# Altium PCB AudioBoxAmpV3-3.PcbDoc (part 1 of 2)
Units mil, origin at the board's own origin, x right, y up, seen from the top; angles counter-clockwise.
Board outline 3662 x 3693 mil, 4 copper layers (Top Layer, GND-2, VCC-3, Bottom Layer), stack 23.756 mil thick; 215 components, 159 nets, 712 pads, 147 vias.
Unrouted connection lines stored in the file: 1.
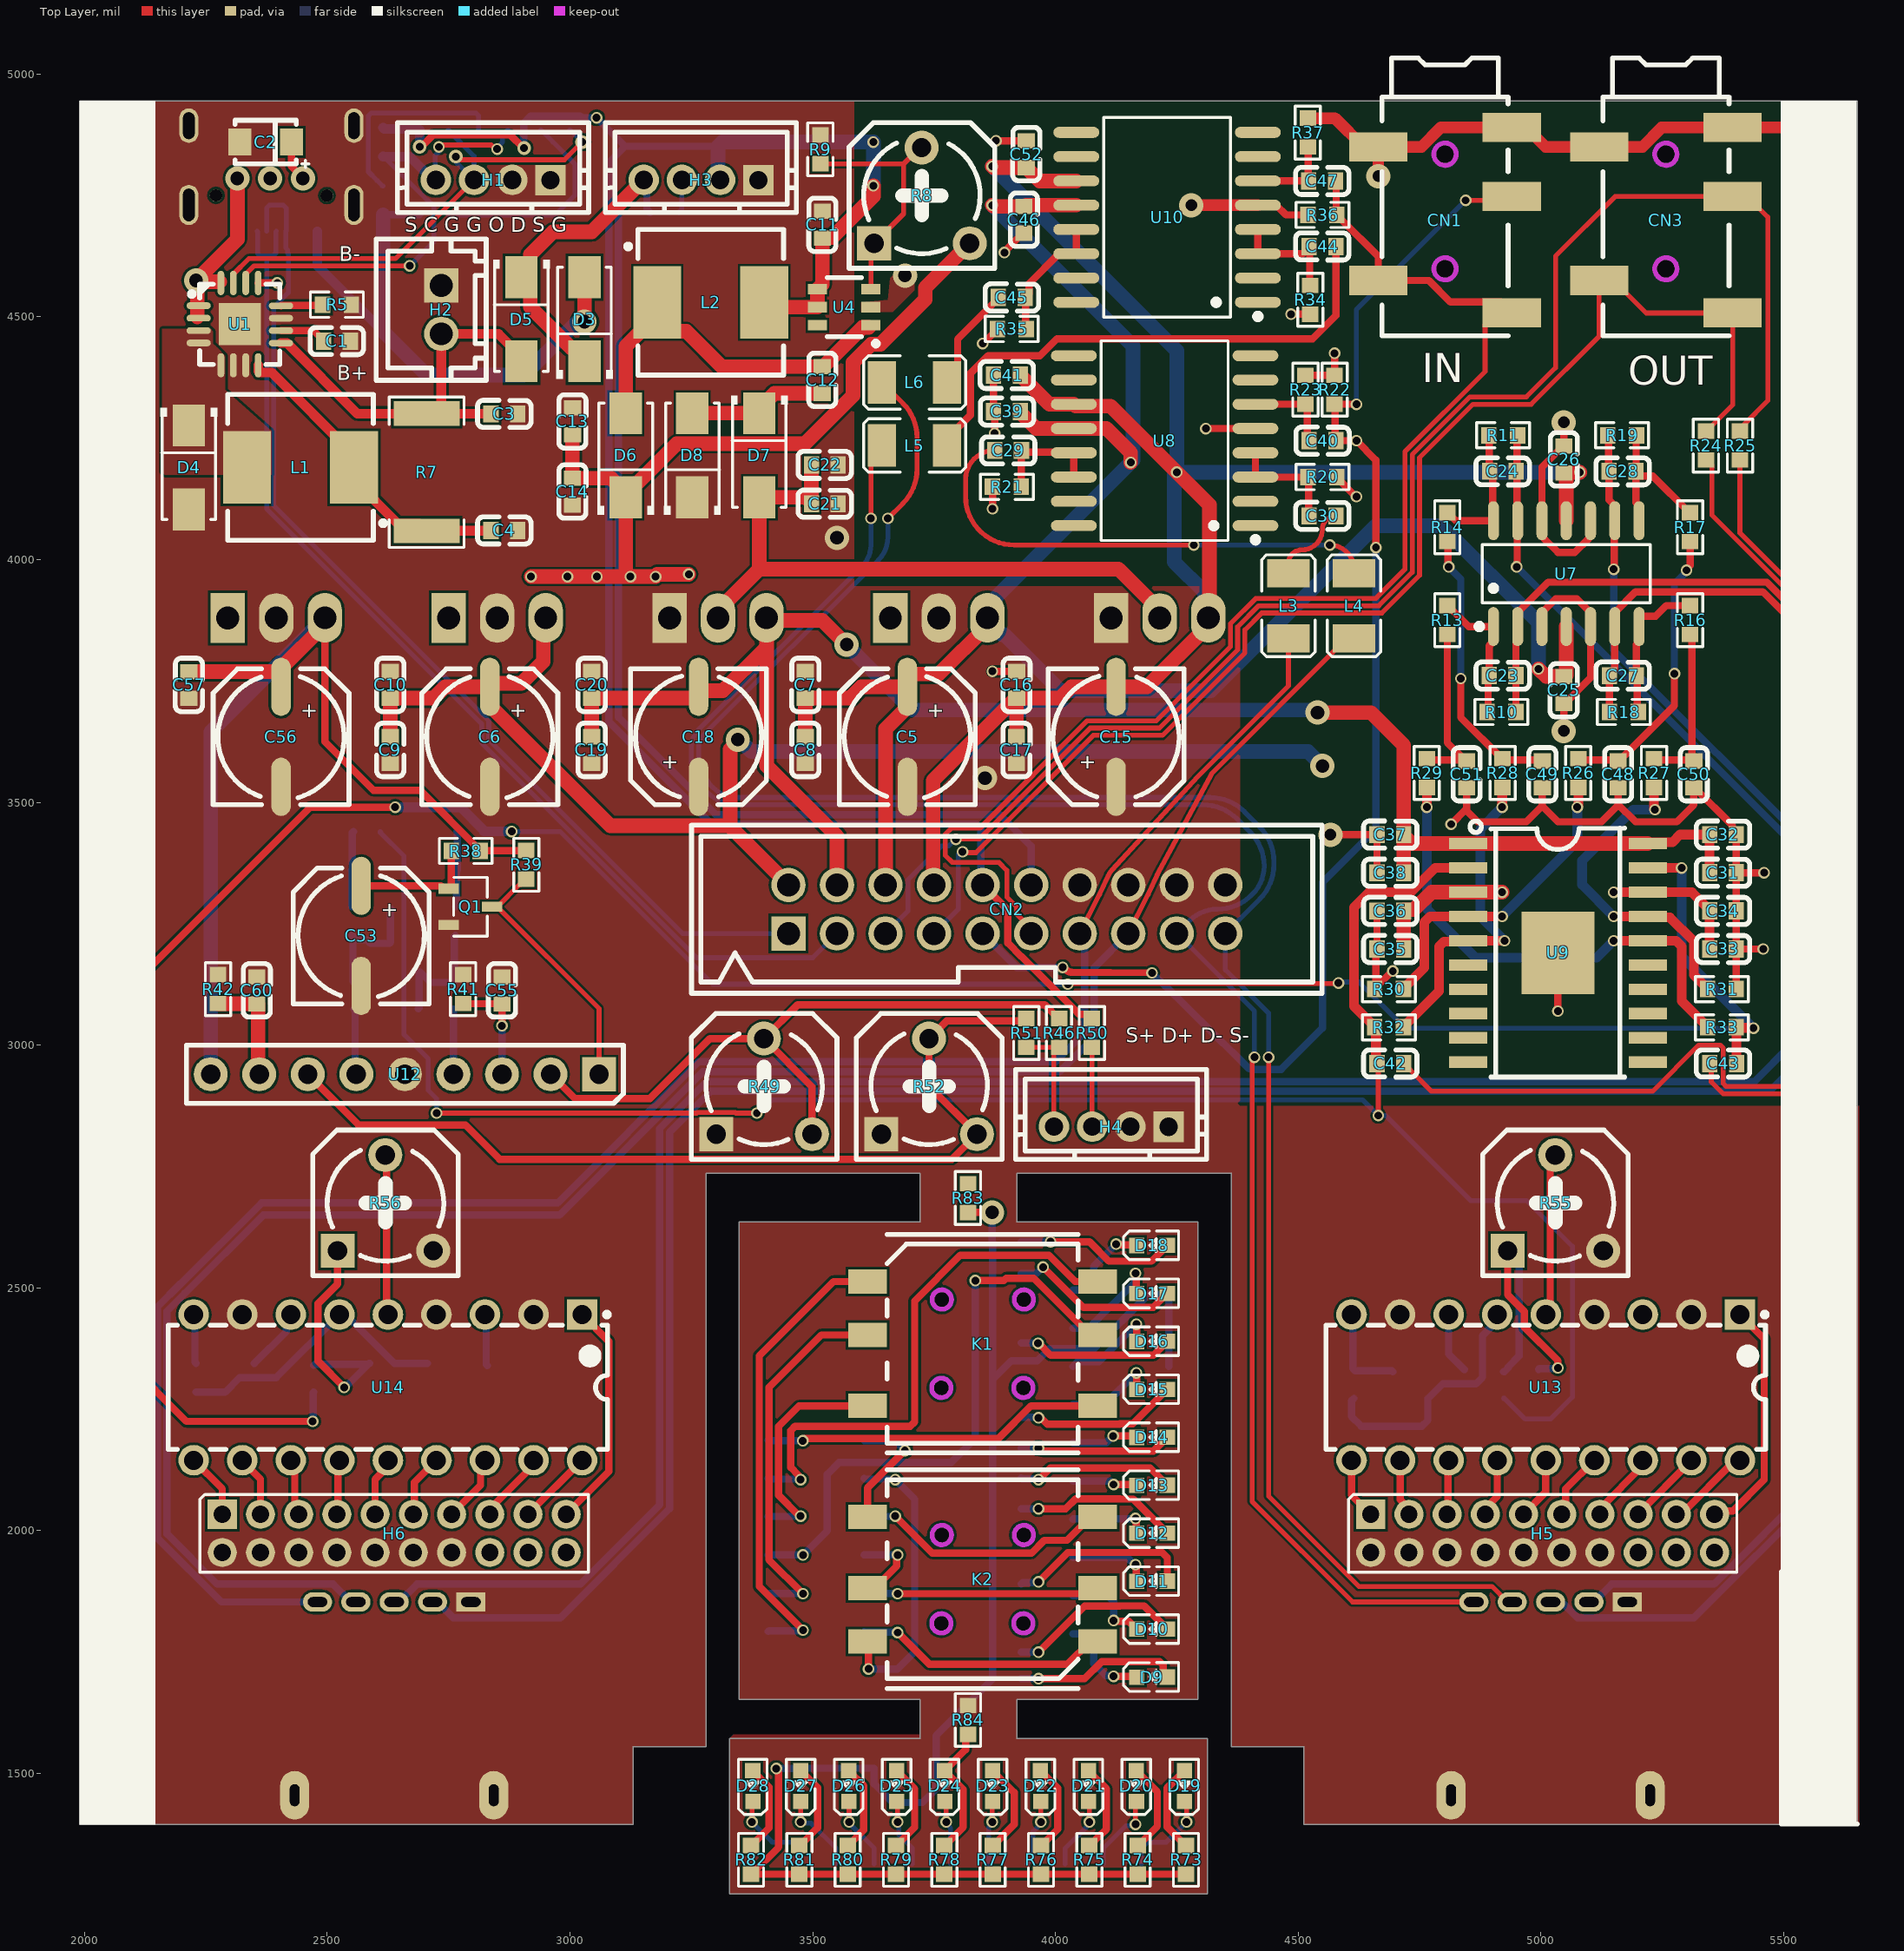
[diagram p0: Top Layer view]
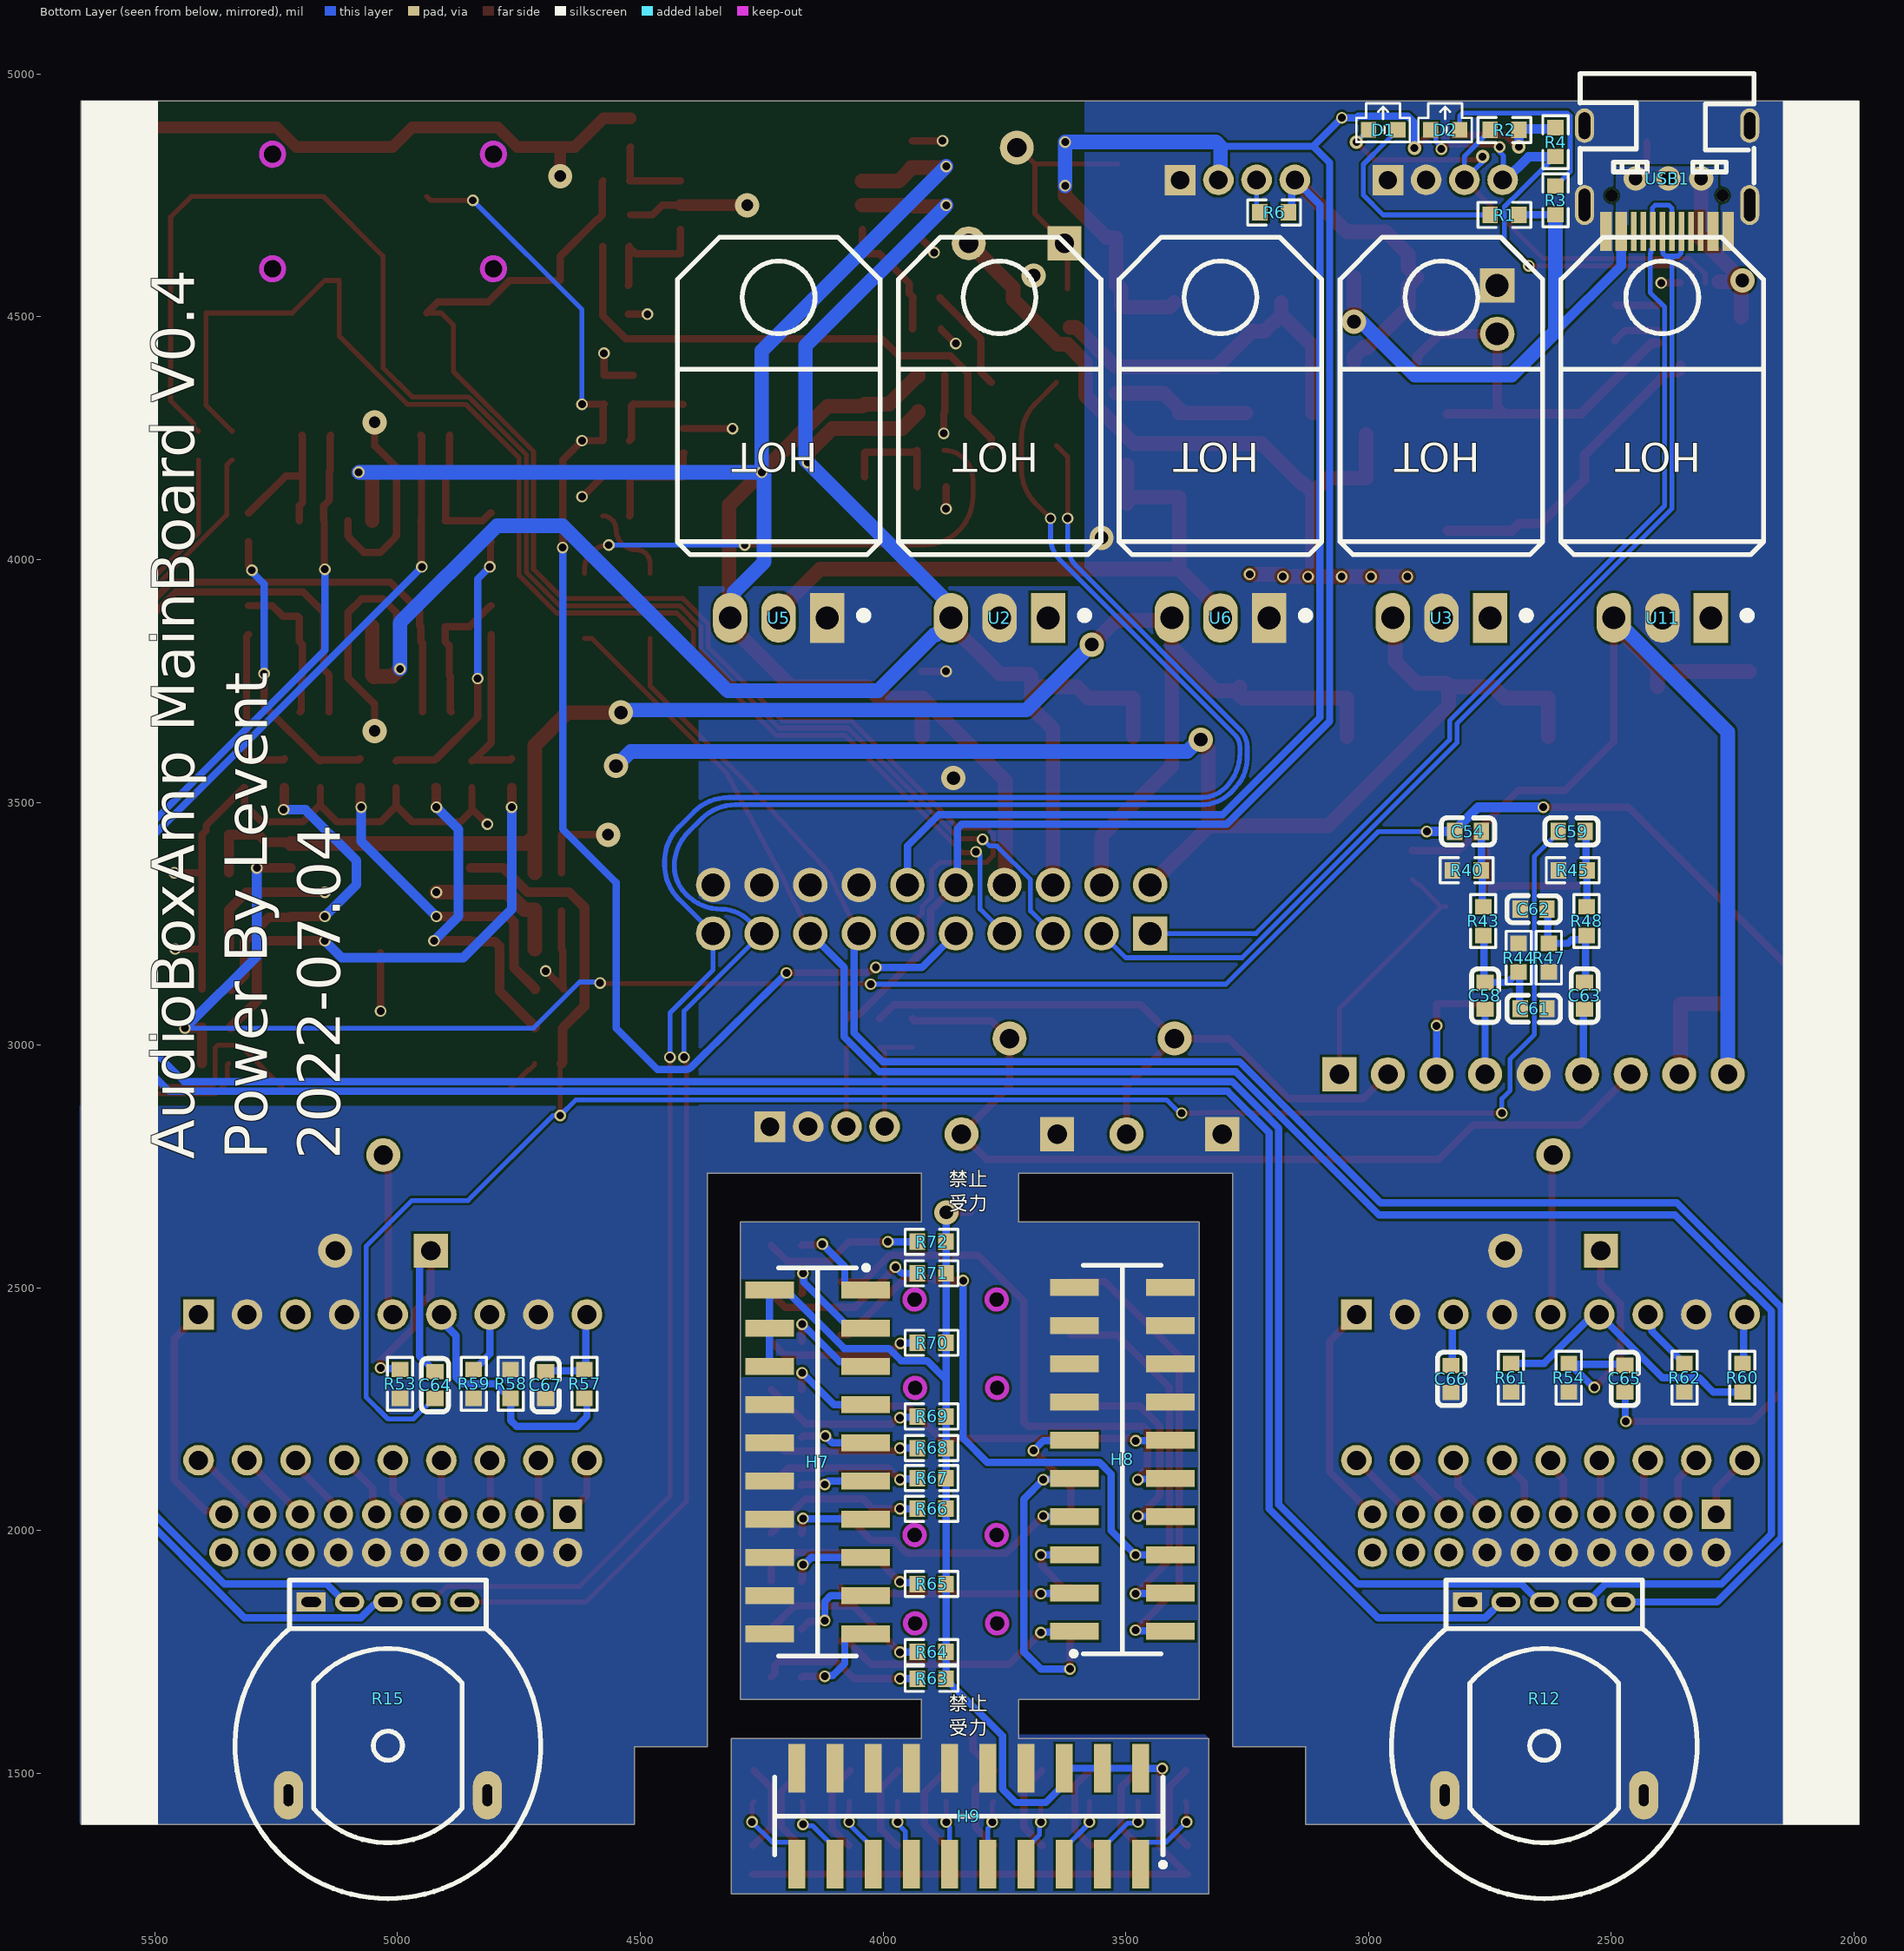
[diagram p1: Bottom Layer view, seen from below]
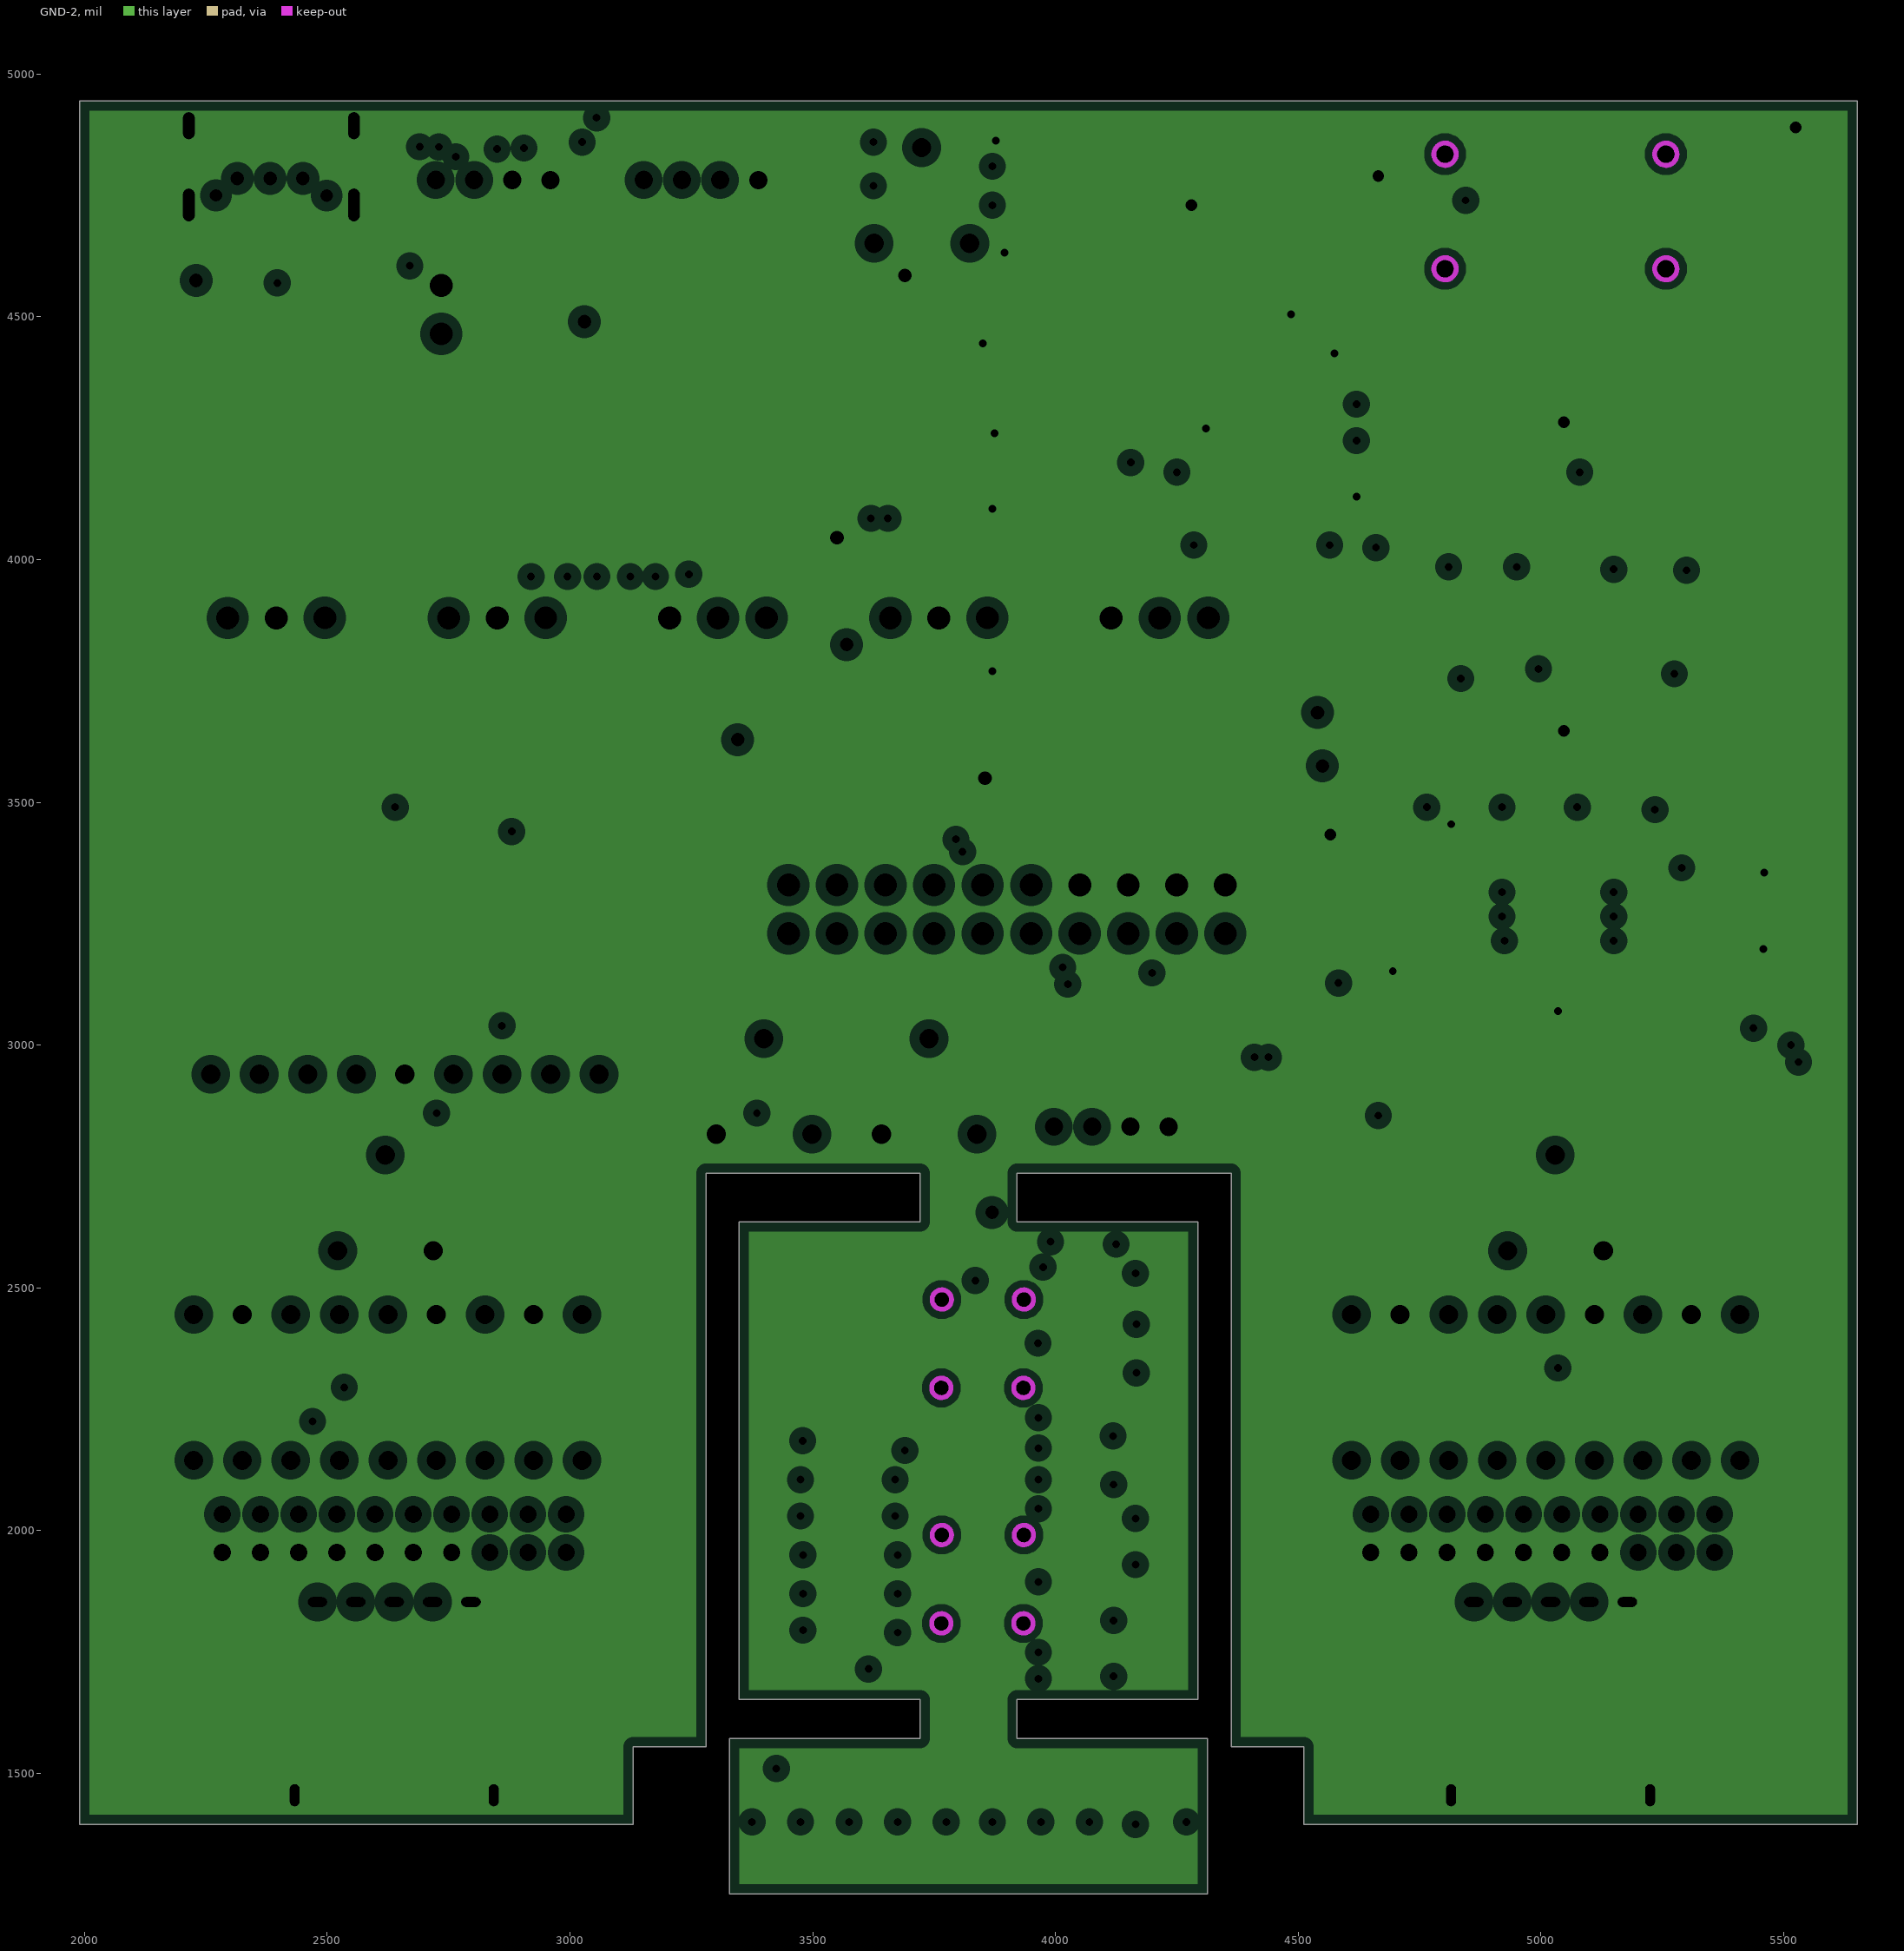
[diagram p2: GND-2, clearances drawn from the general rule]